# Altium PCB iWatch-screen.PcbDoc
Units mil, origin at the board's own origin, x right, y up, seen from the top; angles counter-clockwise.
Board outline 1348.61 x 1013.97 mil, 2 copper layers (Top Layer, Bottom Layer), stack 34.296 mil thick; 14 components, 23 nets, 71 pads, 9 vias.
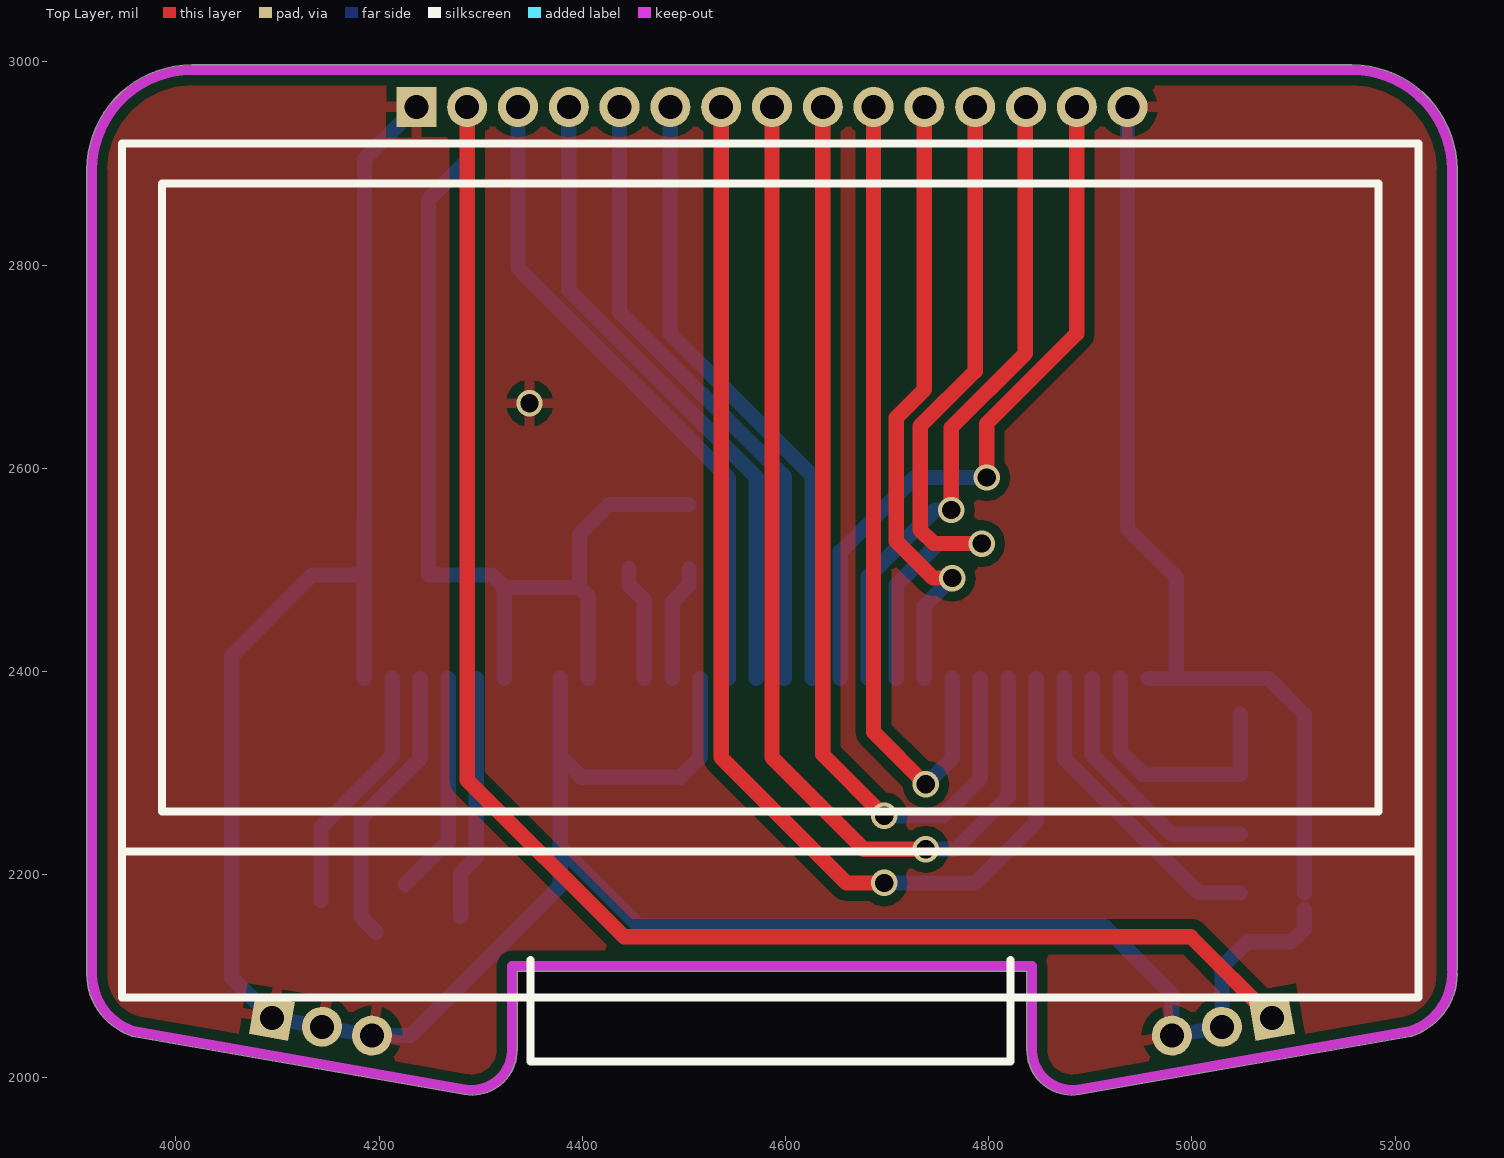
[diagram p0: Top Layer view]
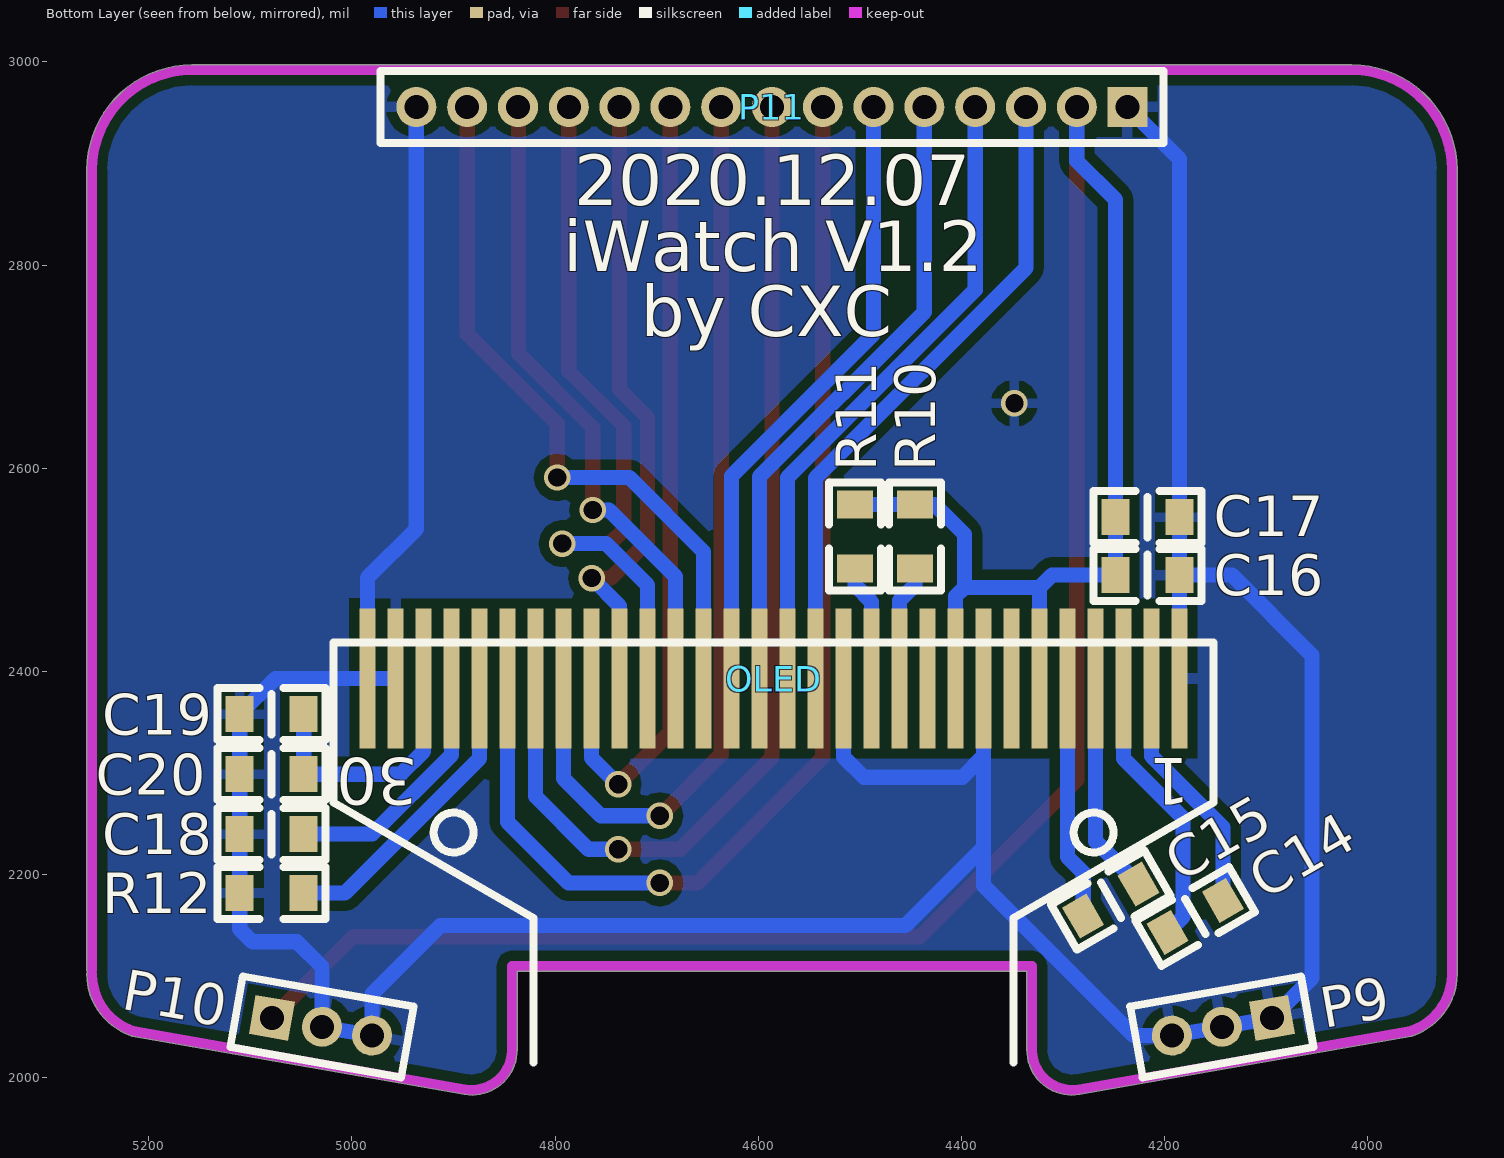
[diagram p1: Bottom Layer view, seen from below]
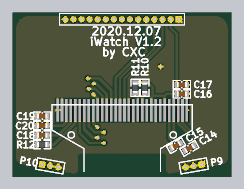
[diagram p2: 3D render of the assembled board from below, using the file's embedded part models]

## Layer stack, top to bottom
Top Solder: solder mask 0.4, Solder Resist, Dk 3.5
Top Layer: signal copper 1.4
Dielectric 1: dielectric 31.4961, FR-4, Dk 4.8
Bottom Layer: signal copper 1.4
Bottom Solder: solder mask 0.4, Solder Resist, Dk 3.5

## Board outline
3955.63,2041.74 ccw(c3958.11,2046.1) 3957.24,2041.16 4283.62,1983.84 ccw(c4284.49,1988.78) 4283.95,1983.79 ccw(c4291.34,2027.56) 4335.72,2027.56 4335.72,2105.22 4837.5,2105.22 4837.5,2027.56 ccw(c4881.89,2027.56) 4889.28,1983.79 ccw(c4888.74,1988.78) 4889.61,1983.84 5215.98,2041.16 ccw(c5215.12,2046.1) 5217.6,2041.74 ccw(c5196.85,2102.36) 5260.92,2102.36 ccw(c5255.91,2102.36) 5260.52,2104.33 ccw(c5255.91,2106.3) 5260.92,2106.3 5260.92,2893.7 ccw(c5157.48,2893.7) 5157.48,2997.14 4015.75,2997.14 ccw(c4015.75,2893.7) 3912.31,2893.7 ccw(c3917.32,2893.7) 3912.31,2893.67 3912.31,2102.36 ccw(c3917.32,2102.36) 3912.31,2102.33 cw(c3976.38,2102.36) 3912.31,2102.36 3912.31,2102.33 ccw(c3976.38,2102.36)

## Design rules (kind name [scope] priority, off if disabled: settings)
Clearance [All] p1: gap=10 except(0: Track-SMDPad SMDPad-Region; 5: Track-Track)
ComponentClearance [All] p1 off: gap=10 collisioncheckmode=3 verticalgap=10 showdistances=FALSE
PolygonConnect [All] p1: connectstyle=Relief reliefconductorwidth=10 reliefentries=4 polygonreliefangle="90 Angle" airgapwidth=10
RoutingVias [All] p1: holewidth=28 width=50 viastyle="Through Hole" minholewidth=28 minwidth=50 maxholewidth=28 maxwidth=50
SolderMaskExpansion [All] p1: expansion=4
Width [All] p1: maxlimit=30 minlimit=10 preferedwidth=15
29 further rules are at their usual default settings.

## Components (designator, comment, footprint, x,y, rotation, side; value= is the part's Value field where it differs from the comment)
C14 "1uF" C-0603-M 4170,2159 r330 bottom
C15 "1uF" C-0603-M 4253,2175 r330 bottom
C16 "10uF" C-0603-M 4217,2495 r180 bottom
C17 "0.1uF" C-0603-M 4217,2552 r180 bottom
C18 "10uF" C-0603-M 5079,2240 r0 bottom
C19 "10uF" C-0603-M 5079,2358 r180 bottom
C20 "0.1uF" C-0603-M 5079,2299 r180 bottom
OLED "1.3\"-128*64" OLED-1.3-90 4585,2571.5 r0 top
P9 "MHDR1X3" MHDR1X3 4094.49,2059.06 r350 bottom
P10 "MHDR1X3" MHDR1X3 5078.74,2059.06 r190 bottom
P11 "MHDR1X15" MHDR1X15 4236.61,2955.63 r0 bottom
R10 "2k" R-0603-M 4446,2533 r90 bottom
R11 "2k" R-0603-M 4505,2533 r90 bottom
R12 "560k" R-0603-M 5079,2182 r0 bottom

## Footprints (in the part's own frame and the unit in brackets; to place one, negate y for a bottom-side part, rotate by r counter-clockwise, add the part's x,y. Pads: shape width x height; smd on the part's side, far side on the other; paste and mask are expansions set on the pad)
C-0603-M [mm]
  rect 0.7x0.9 smd: 1(-0.8,0) 2(0.8,0)
  silkscreen extent -1.35,-0.65 1.35,0.65, body extent -0.8,-0.4 0.8,0.4, height 0.6
MHDR1X3 [mm] "Connector; Header; 3 Position"
  rect 1x1 hole 0.6: 1(0,0)
  round 1 hole 0.6: 2(1.27,0) 3(2.54,0)
  silkscreen extent -0.9,-0.9 3.44,0.9
MHDR1X15 [mm] "Connector; Header; 15 Position"
  rect 1x1 hole 0.6: 1(0,0)
  round 1 hole 0.6: 2(1.27,0) 3(2.54,0) 4(3.81,0) 5(5.08,0) 6(6.35,0) 7(7.62,0) 8(8.89,0) 9(10.16,0) 10(11.43,0) 11(12.7,0) 12(13.97,0) 13(15.24,0) 14(16.51,0) 15(17.78,0)
  silkscreen extent -0.9,-0.9 18.68,0.9
OLED-1.3-90 [mm]
  rect 0.4x3.5 smd far side: 1(-10.15,-4.53) 2(-9.45,-4.53) 3(-8.75,-4.53) 4(-8.05,-4.53) 5(-7.35,-4.53) 6(-6.65,-4.53) 7(-5.95,-4.53) 8(-5.25,-4.53) 9(-4.55,-4.53) 10(-3.85,-4.53) 11(-3.15,-4.53) 12(-2.45,-4.53) 13(-1.75,-4.53) 14(-1.05,-4.53) 15(-0.35,-4.53) 16(0.35,-4.53) 17(1.05,-4.53) 18(1.75,-4.53) 19(2.45,-4.53) 20(3.15,-4.53) 21(3.85,-4.53) 22(4.55,-4.53) 23(5.25,-4.53) 24(5.95,-4.53) 25(6.65,-4.53) 26(7.35,-4.53) 27(8.05,-4.53) 28(8.75,-4.53) 29(9.45,-4.53) 30(10.15,-4.53)
  silkscreen extent -16.21,-14.1 16.21,8.85, body extent -16.21,-14.1 16.21,8.85, height 1.28
R-0603-M [mm]
  rect 0.7x0.9 smd: 1(-0.8,0) 2(0.8,0)
  silkscreen extent -1.35,-0.65 1.35,0.65, body extent -0.8,-0.4 0.8,0.4, height 0.38

## Part data
C14 C15 C16 C17 C18 C19 C20: library part Cap, "陶瓷电容"
OLED: library part OLED-1.3
P9 P10: "Header, 3-Pin"
P11: "Header, 15-Pin"
R10 R11 R12: library part Resistor, "Resistor"

## Via types
v1: diameter 26, hole 18, Top Layer to Bottom Layer, 9 vias

## Nets (pads, with @x,y where several pads share a name; then routed paths per layer and width w, separated by ;. In a path a pad name is that pad's centre, name@x,y a point inside that pad or via, vN(x,y) a via of type N, cw(c..) or ccw(c..) an arc to the next point about the centre after c; other vN are vias at no path point)
3V3: C16.1 C17.1 OLED.6 OLED.9 P10.1 P11.2 R10.2 R11.2 | length 2536.8
  Top Layer w15: P11.2 4286.61,2293.39 4441,2139 4998.8,2139 P10.1
  Bottom Layer w15: P11.2 4286.61,2902.61 4248.5,2864.5 C17.1 C16.1 4311,2495 4323.19,2482.81 ; OLED.6 4323.19,2482.81 ; OLED.9 4405.87,2474.13 4397.19,2482.81 ; R11.2 R10.2 4426.5,2564.5 4397.19,2535.19 4397.19,2482.81 ; 4323.19,2482.81 4397.19,2482.81
BS1: OLED.11 R10.1 | length 114.6
  Bottom Layer w15: R10.1 4446,2485 4460.98,2470.02 OLED.11
BS2: OLED.12 R11.1 | length 115.2
  Bottom Layer w15: OLED.12 4488.54,2468.54 4505,2485 R11.1
D0: OLED.18 P11.14 | length 700.5
  Top Layer w15: v1(4798,2591) 4798,2644 4886.61,2732.61 P11.14
  Bottom Layer w15: OLED.18 4653.9,2517.9 4727,2591 v1(4798,2591)
D1: OLED.19 P11.13 | length 635.3
  Top Layer w15: v1(4763,2559) 4763,2640 4836,2713 P11.13@4836,2955.02
  Bottom Layer w15: OLED.19 4681.46,2493.46 4747,2559 v1(4763,2559)
D2: OLED.20 P11.12 | length 697.5
  Top Layer w15: P11.12 4786.61,2695.61 4732.5,2641.5 4732.5,2539.5 4746,2526 v1(4793,2526)
  Bottom Layer w15: OLED.20 4709.02,2485.02 4750,2526 v1(4793,2526)
D3: OLED.21 P11.11 | length 619.2
  Top Layer w15: P11.11 4736.61,2677.61 4709,2650 4709,2528 4745,2492 v1(4764,2492)
  Bottom Layer w15: OLED.21 4736.57,2464.57 v1(4764,2492)
D4: OLED.22 P11.10 | length 802.9
  Top Layer w15: P11.10 4686.61,2340.39 v1(4738,2289)
  Bottom Layer w15: v1(4738,2289) 4764.13,2315.13 OLED.22
D5: OLED.23 P11.9 | length 931
  Top Layer w15: P11.9 4636.61,2318.39 v1(4697,2258)
  Bottom Layer w15: v1(4697,2258) 4755,2258 4791.69,2294.69 OLED.23
D6: OLED.24 P11.8 | length 1047.9
  Top Layer w15: P11.8 4586.61,2315.39 4677,2225 v1(4738,2225)
  Bottom Layer w15: v1(4738,2225) 4767,2225 4819.25,2277.25 OLED.24
D7: OLED.25 P11.7 | length 1167.7
  Top Layer w15: P11.7 4536.61,2315.39 4660,2192 v1(4697,2192)
  Bottom Layer w15: v1(4697,2192) 4787,2192 4846.81,2251.81 OLED.25
D/C\: OLED.15 P11.4 | length 638.9
  Bottom Layer w15: P11.4 4386.61,2775.67 4571.22,2591.06 OLED.15
E/R\D\: OLED.17 P11.6 | length 620.4
  Bottom Layer w15: P11.6 4486.61,2732.24 4626.34,2592.51 OLED.17
GND: C16.2 C17.2 C18.2 C19.1 C20.1 OLED.1 OLED.8 OLED.13 OLED.29 OLED.30 P9.1 P9.2 P9.3 P10.2 P10.3 P11.1 P11.15 R12.2 | length 3755.8
  Bottom Layer w15: OLED.1 C16.2@4185.39,2495 ; C17.2@4185.39,2552 C16.2@4185.39,2495 ; C16.2 C16.2@4185.39,2495 ; C17.2 4185.5,2904.52 P11.1 ; OLED.8 4378.31,2316.69 ; OLED.13 4516.1,2316.1 4496,2296 4399,2296 4378.31,2316.69 ; P11.15 4936.61,2540.39 4984.61,2492.39 OLED.30 ; OLED.29 OLED.30 ; R12.2@5110.5,2165.5 5110.5,2146.5 5098,2134 5054,2134 5029.5,2109.5 P10.2 P10.3 4980.26,2082.74 4913,2150 4455.34,2150 4378.31,2227.03 ; R12.2 C18.2 C20.1 C19.1 5075.35,2393.15 OLED.30 ; C16.2@4185.39,2495 4134,2495 4055,2416 4055,2098.54 P9.1 P9.2 P9.3 4230.69,2041.69 4378.31,2189.31 4378.31,2227.03 ; 4378.31,2227.03 4378.31,2316.69
  other v1: 4348,2664
NetC14_1: C14.1 OLED.2 | length 247.5
  Bottom Layer w15: C14.1 4142.72,2246.72 4212.95,2316.95 OLED.2
NetC14_2: C14.2 OLED.3 | length 280.5
  Bottom Layer w15: C14.2 4182,2158.53 4182,2256 4240.51,2314.51 OLED.3
NetC15_1: C15.1 OLED.4 | length 219.9
  Bottom Layer w15: C15.1 4268.07,2233.09 OLED.4
NetC15_2: C15.2 OLED.5 | length 240.3
  Bottom Layer w15: C15.2 4280.28,2202.28 4295.63,2217.63 OLED.5
NetC18_1: C18.1 OLED.27 | length 253
  Bottom Layer w15: OLED.27 4901.93,2318.07 4980,2240 C18.1
NetC19_2: C19.2 C20.2 OLED.28 | length 258
  Bottom Layer w15: OLED.28 4929.49,2321.51 4952,2299 C20.2 C19.2
NetOLED_26: OLED.26 R12.1 | length 306.6
  Bottom Layer w15: OLED.26 4874.37,2314.63 5007,2182 R12.1
R/W\: OLED.16 P11.5 | length 629.7
  Bottom Layer w15: P11.5 4436.61,2753.95 4598.78,2591.79 OLED.16
R\E\S\: OLED.14 P11.3 | length 648.2
  Bottom Layer w15: P11.3 4336.61,2797.39 4543.66,2590.34 OLED.14
pads on no net: OLED.7 OLED.10

## Polygon pours and split planes (outlines as drawn)
GND on Bottom Layer "Bottom Layer-No Net" (solid, remove dead copper, pour order 14): 3954,3079 3826,2951 3826,2844 3826,2092 3995,1923 4013,1905 5067,1905 5169,1905 5316,2052 5312,2056 5312,3045
GND on Top Layer "Bottom Layer-No Net" (solid, remove dead copper, pour order 12): 4023,3087 3834,2898 3818,2898 3818,2062 3842,2038 3969,1911 5012,1911 5191,1911 5312,2032 5314,2034 5314,2987 5241,2987 5141,3087

## Keep-outs
Keep-Out Layer:
  lines w10: 3958.11,2046.1 4284.49,1988.78 ccw(c4291.34,2027.56) 4330.71,2027.56 4330.71,2110.24 4842.52,2110.24 4842.52,2027.56 ccw(c4881.89,2027.56) 4888.73,1988.79 5215.12,2046.1 ; 3958.13,2046.2 cw(c3976.38,2102.36) 3917.32,2102.36 3917.32,2893.7 cw(c4015.75,2893.7) 4015.75,2992.13 5157.48,2992.13 cw(c5157.48,2893.7) 5255.91,2893.7 5255.91,2613 5255.91,2374 5255.91,2106.3 ; 5215.1,2046.2 ccw(c5196.85,2102.36) 5255.91,2102.36

## Silkscreen, mask and mechanical layers (free items; w line width, h text height)
Bottom Overlay:
  text "2020.12.07" at 4781,2859 h50
  text "iWatch V1.2" at 4792,2794 h50
  text "by CXC" at 4716,2730 h50
Mechanical 1:
  lines w10: 3958.11,2046.1 4284.49,1988.78 ccw(c4291.34,2027.56) 4330.71,2027.56 4330.71,2110.24 4842.52,2110.24 4842.52,2027.56 ccw(c4881.89,2027.56) 4888.73,1988.79 5215.12,2046.1 ; 3958.13,2046.2 cw(c3976.38,2102.36) 3917.32,2102.36 3917.32,2893.7 cw(c4015.75,2893.7) 4015.75,2992.13 5157.48,2992.13 cw(c5157.48,2893.7) 5255.91,2893.7 5255.91,2613 5255.91,2374 5255.91,2106.3 ; 5215.1,2046.2 ccw(c5196.85,2102.36) 5255.91,2102.36

## Text inside footprints (layer, text, board x,y; h text height)
OLED: Bottom Overlay "1" at 4175.55,2330.16 h78.74 r180; Bottom Overlay "30" at 4935.39,2330.16 h78.74 r180